# Allegro board fscvmotherboardv2.brd (continued)
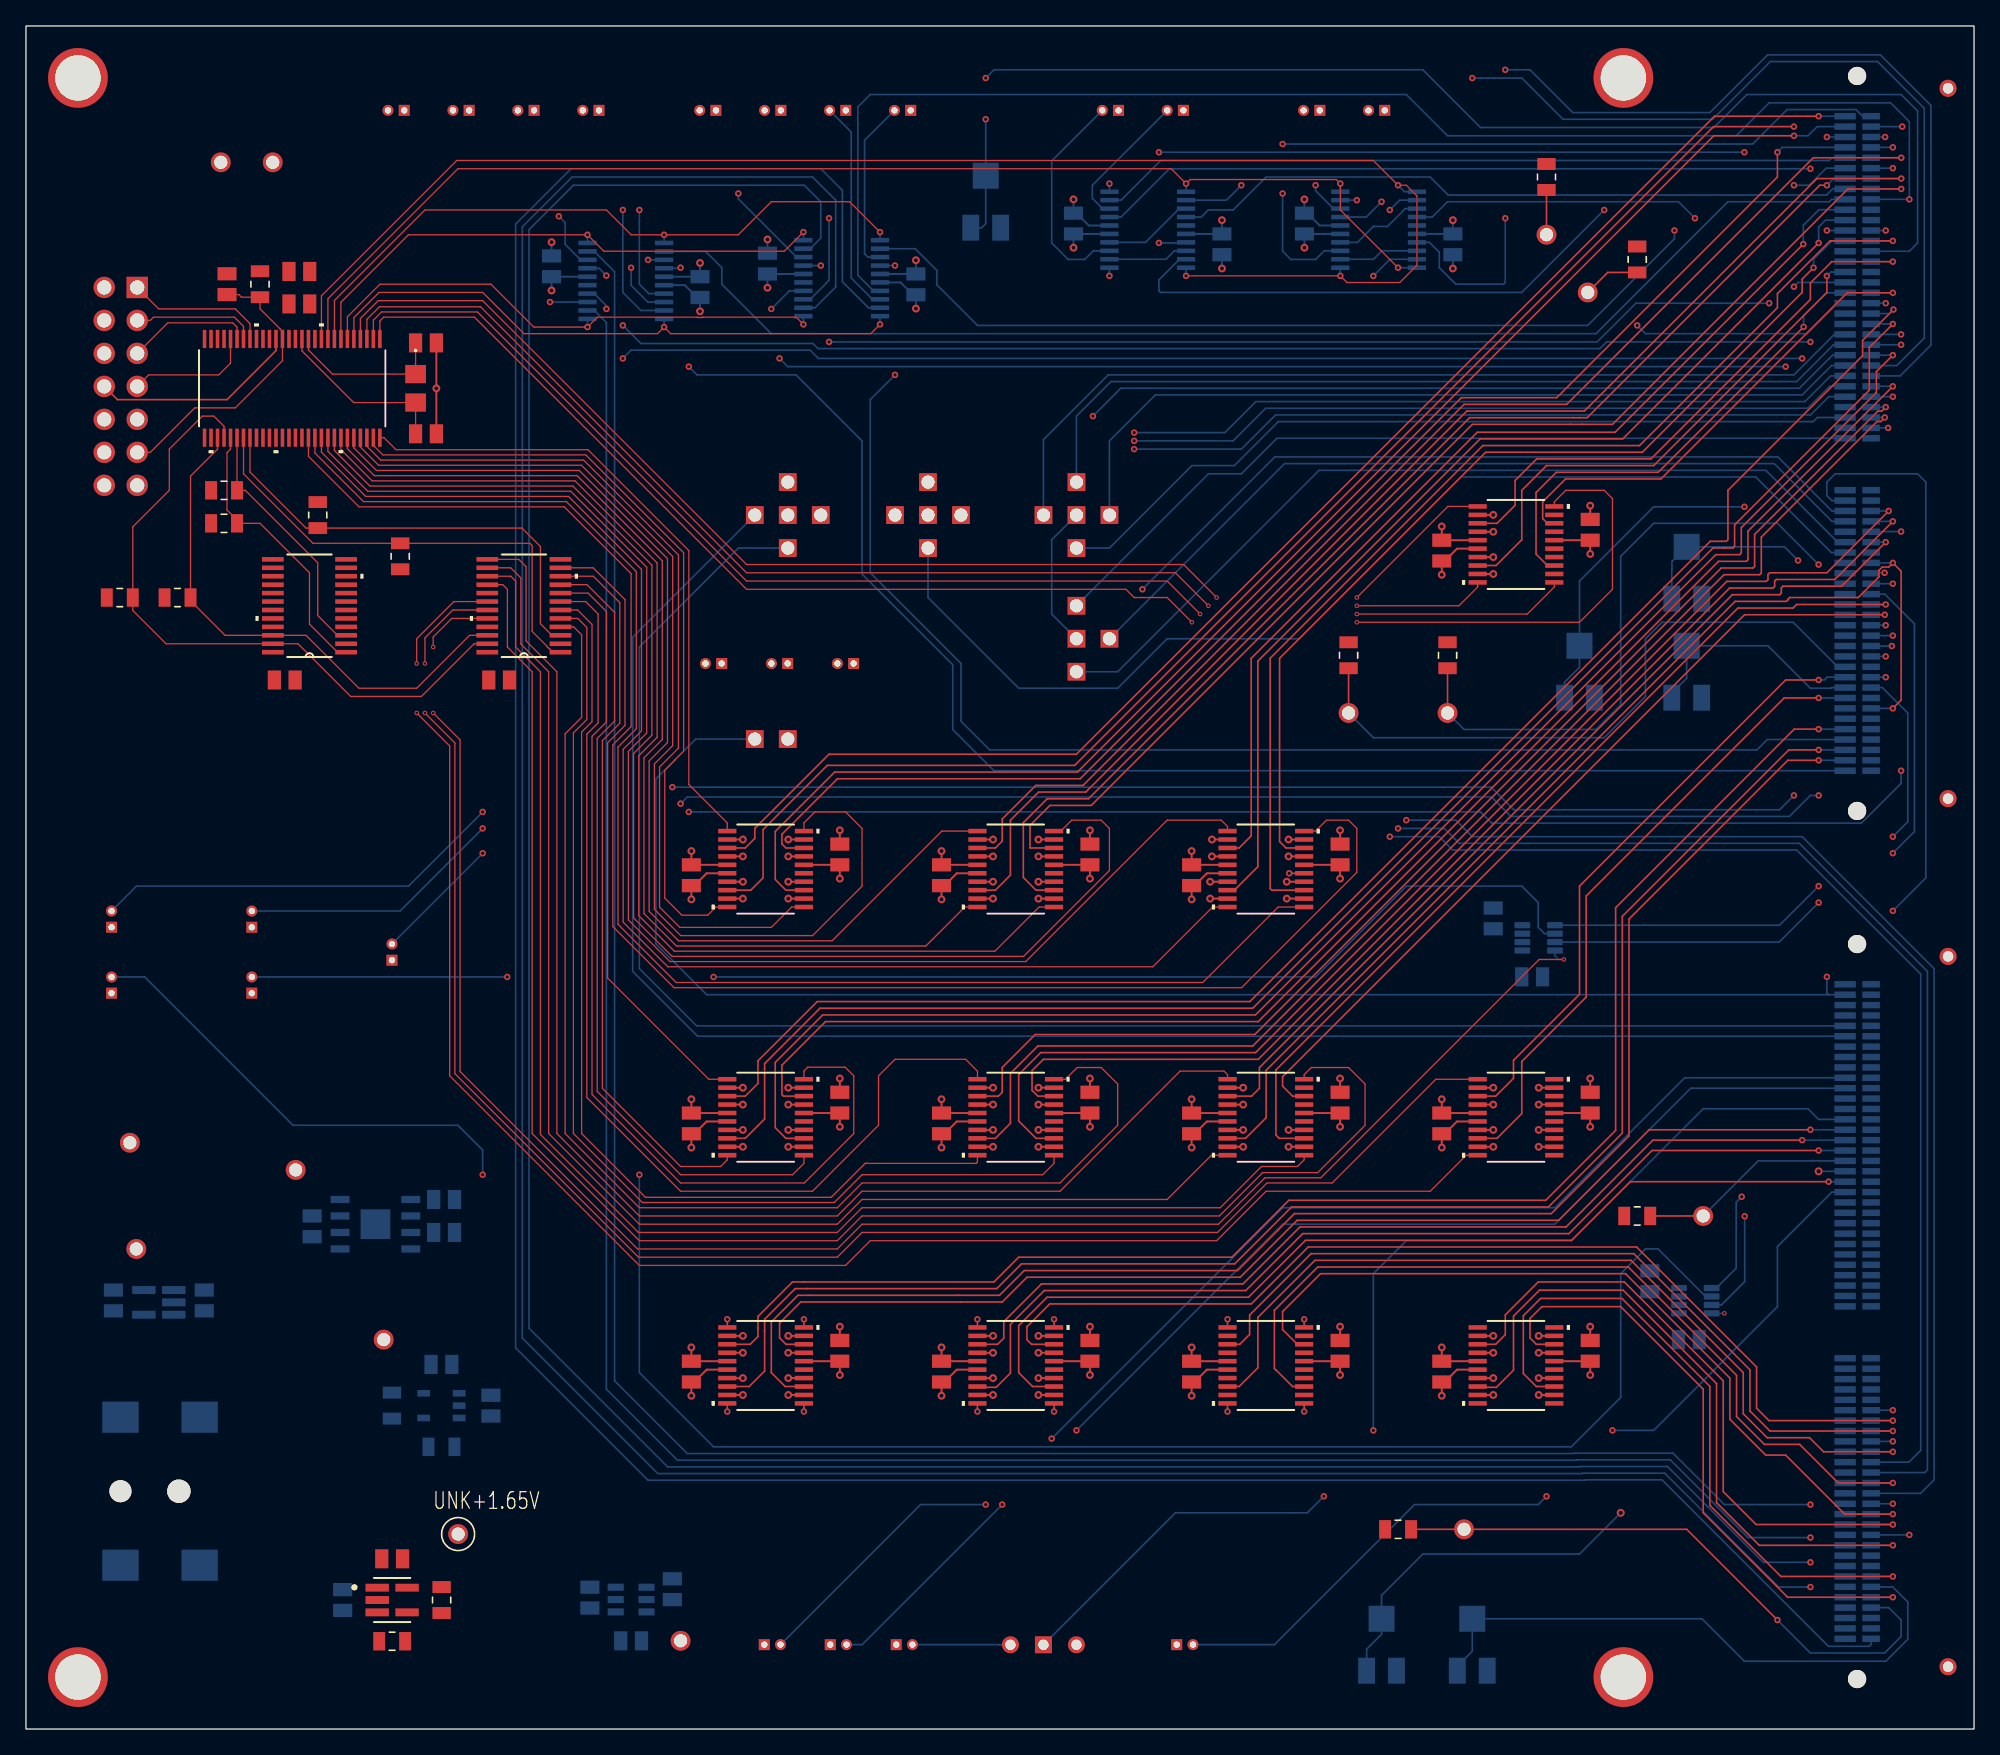
[diagram p0: board, top side]
## Footprints (pads in the part's own frame, mm; a bottom-side part is the same pattern mirrored in y, then rotated) (continued)
TRIM_3314J-1-754E
  rect 1.3x2 smd: 1(1.15,-2) 3(-1.15,-2)
  rect 2x2 smd: 2(0,2)
TSSOP20_PW_TEX
  rect 1.404x0.355 smd: 1(-2.95,2.925) 2(-2.95,2.275) 3(-2.95,1.625) 4(-2.95,0.975) 5(-2.95,0.325) 6(-2.95,-0.325) 7(-2.95,-0.975) 8(-2.95,-1.625) 9(-2.95,-2.275) 10(-2.95,-2.925) 11(2.95,-2.925) 12(2.95,-2.275) 13(2.95,-1.625) 14(2.95,-0.975) 15(2.95,-0.325) 16(2.95,0.325) 17(2.95,0.975) 18(2.95,1.625) 19(2.95,2.275) 20(2.95,2.925)
unnamed
  round 4.6 hole 3.5: (0,0)
XTAL_KA-A3_EPS
  rect 1.412x1.6 smd: 1(-1.095,0) 2(1.095,0)

## Nets
3.3V: C3.2 C4.2 C8.1 C50.2 C51.2 J2.4 R1.1 R2.2 R3.2 R4.2 R5.2 R6.2 R7.2 U1.15 U2.6 U2.7 U2.8 U4.24(VCC) U6.2 U6.24(VCC) UNK3.3V.TP
5V_UNREGULATED: C6.1 C9.1 C12.1 C14.1 J3.1A J3.1B U2.1 U2.2(VOUT_2) U2.4 U3.1 U3.3 U5.1 U5.6 U7.1 U7.3
+1.65V: 1.65V.TP C15.1 J1.133 R10.2 U7.5(OUT) U9.4 U9.7 U9.14 U9.17 U10.4 U10.7 U11.4 U11.7 U11.14 U11.17 U12.4 U12.7 U12.14 U12.17 U13.4 U13.7 U13.14 U13.17 U14.4 U14.7 U14.14 U14.17 U15.4 U15.7 U15.14 U15.17 U16.4 U16.7 U16.14 U16.17 U17.4 U17.7 U17.14 U17.17 U19.4 U19.7 U19.14 U19.17 U21.4 U21.7 U21.14 U21.17 U24.4 U24.7 U24.14 U24.17 UNK+1.65V.TP
+5V: C10.1 C18.1 C20.1 C22.1 C24.1 C26.1 C28.1 C30.1 C32.1 C34.1 C36.1 C38.1 C40.1 C42.1 C44.1 C46.1 C48.1 C52.1 C54.1 U3.5(OUT) U9.16 U10.16 U11.16 U12.16 U13.16 U14.16 U15.16 U16.16 U17.16 U18.16 U19.16 U20.16 U21.16 U22.16 U23.16 U24.16 U25.1 U25.2 U26.1 U26.2 UNK+5V.TP
-1.65V: C16.1 J1.14 J1.31 J1.37 J1.55 J1.77 J1.99 J1.113 J1.121 J1.132 J1.194 J1.208 J1.232 R12.2 R14.2 R15.2 R16.2 R17.2 R18.2 R19.2 U8.5 U9.2 U9.9 U9.12 U9.19 U10.2 U10.9 U11.2 U11.9 U11.12 U11.19 U12.2 U12.9 U12.12 U12.19 U13.2 U13.9 U13.12 U13.19 U14.2 U14.9 U14.12 U14.19 U15.2 U15.9 U15.12 U15.19 U16.2 U16.9 U16.12 U16.19 U17.2 U17.9 U17.12 U17.19 U19.2 U19.9 U19.12 U19.19 U21.2 U21.9 U21.12 U21.19 U24.2 U24.9 U24.12 U24.19 UNK-1.65V.TP VR1.3 VR2.3 VR3.3 VR4.3 VR5.3 VR6.3
-5V: C11.1 C17.1 C19.1 C21.1 C23.1 C25.1 C27.1 C29.1 C31.1 C33.1 C35.1 C37.1 C39.1 C41.1 C43.1 C45.1 C47.1 C49.1 C53.2 C55.2 U5.2(VOUT) U8.2 U8.3 U9.5(VSS) U10.5(VSS) U11.5(VSS) U12.5(VSS) U13.5(VSS) U14.5(VSS) U15.5(VSS) U16.5(VSS) U17.5(VSS) U18.5(VSS) U19.5(VSS) U20.5(VSS) U21.5(VSS) U22.5(VSS) U23.5(VSS) U24.5(VSS) U25.4(VSS) U26.4(VSS) UNK-5V.TP
GND: C1.2 C2.2 C3.1 C4.1 C5.1 C6.2 C7.2 C8.2 C9.2 C10.2 C11.2 C12.2 C14.2 C15.2 C16.2 C17.2 C18.2 C19.2 C20.2 C21.2 C22.2 C23.2 C24.2 C25.2 C26.2 C27.2 C28.2 C29.2 C30.2 C31.2 C32.2 C33.2 C34.2 C35.2 C36.2 C37.2 C38.2 C39.2 C40.2 C41.2 C42.2 C43.2 C44.2 C45.2 C46.2 C47.2 C48.2 C49.2 C50.1 C51.1 C52.2 C53.1 C54.2 C55.1 GND1.TP J1.15 J1.54 J1.76 J1.94 J1.129 J1.233 J2.9 J3.2 J3.3 J4.2 J5.2 J6.2 J7.2 J8.2 J9.2 J10.2 J11.2 J12.2 J13.2 J14.2 J15.2 J16.2 J17.2 J18.2 J19.2 J20.2 J21.2 J22.2 J23.2 J24.2 J25.2 J26.2 J27.2 R11.1 R13.1 SW1.3 U1.14 U2.5 U2.9 U3.2 U4.2 U4.12 U4.21 U5.5 U6.12 U6.21 U7.2 U8.1 U9.6 U10.6 U11.6 U12.6 U13.6 U14.6 U15.6 U16.6 U17.6 U18.6 U19.6 U20.6 U21.6 U22.6 U23.6 U24.6 U25.3 U26.3
VDD_12: J1.13 U12.18
VDD_34: J1.231 U9.8
VDD_56: J1.56 U17.3
VDD_78: J1.78 U19.18
VDD_D: J1.100 J1.114 U21.8
VDD_DNA_1: J1.195
VDD_DNA_2: J1.209
VDD_IT: J1.34 J1.122 VDD_IT1.TP
CH_A_SEL: U1.8 U18.1 U20.1
CH_AB_COND_SEL: U22.1
CH_AB_SEL: U1.10 U22.20 U23.1 U23.11
CH_B_SEL: U1.5 U18.10 U20.10
CH_C_SEL: U1.6 U18.11 U20.11
CH_CD_COND_SEL: U22.10
CH_CD_SEL: U1.9 U22.11 U23.10 U23.20
CH_D_SEL: U1.7 U18.20 U20.20
CH_EN_1: J1.11 U12.8
CH_EN_1_SEL: U1.47 U12.10
CH_EN_2: J1.1 U16.3
CH_EN_2_SEL: U1.56 U16.1
CH_EN_3: J1.229 U9.3
CH_EN_3_SEL: U9.1
CH_EN_4: J1.219 U24.18
CH_EN_4_SEL: U24.20
CH_EN_5: J1.58 U17.8
CH_EN_5_SEL: U17.10
CH_EN_6: J1.68 U13.18
CH_EN_6_SEL: U1.49 U13.20
CH_EN_7: J1.80 U15.3
CH_EN_7_SEL: U4.11 U15.1
CH_EN_8: J1.90 U14.8
CH_EN_8_SEL: U4.6 U14.10
CH_EN_D: J1.95 U14.13
CH_EN_D_SEL: U4.5 U14.11
CH_OUT_A: J5.1 U18.3
CH_OUT_B: J9.1 U18.8
CH_OUT_C: J13.1 U18.13
CH_OUT_D: J17.1 U18.18
CH_OUTPUT_1: J1.12 U18.2
CH_OUTPUT_2: J1.240 U18.9
CH_OUTPUT_3: J1.230 U18.19
CH_OUTPUT_4: J1.218 U18.12
CH_OUTPUT_5: J1.57 U18.4
CH_OUTPUT_6: J1.69 U18.7
CH_OUTPUT_7: J1.79 U18.17
CH_OUTPUT_8: J1.91 U18.14
CH_OUTPUT_D: J1.110
CM: J1.134 SW1.1
CM_EXT: J22.1 SW1.2
COND_EN_1: J1.7 U13.13
COND_EN_1_SEL: U1.50 U13.11
COND_EN_2: J1.4 U16.18
COND_EN_2_SEL: U1.53 U16.20
COND_EN_3: J1.225 U11.13
COND_EN_3_SEL: U11.11
COND_EN_4: J1.222 U11.8
COND_EN_4_SEL: U11.10
COND_EN_5: J1.62 U16.8
COND_EN_5_SEL: U1.55 U16.10
COND_EN_6: J1.65 U13.3
COND_EN_6_SEL: U1.52 U13.1
COND_EN_7: J1.84 U15.13
COND_EN_7_SEL: U4.9 U15.11
COND_EN_8: J1.87 U15.18
COND_EN_8_SEL: U4.8 U15.20
COND_EN_D: J1.105 U21.18
COND_EN_D_SEL: U4.16 U21.20
DHP_DNA<0>: J1.201
DHP_DNA<1>: J1.200
DHP_DNA<2>: J1.199
DHP_DNA<3>: J1.198
DHP_DNA<4>: J1.197
DHP_DNA<5>: J1.196
DHP_DNA<6>: J1.193
DHP_DNA<7>: J1.192
DHP_DNA<8>: J1.191
DHP_DNA<9>: J1.190
DIFF_NFET_1_SHARED_VB: J1.45
DIFF_NFET_1_SHARED_VD: J1.42
DIFF_NFET_1_VSN: J1.43
DIFF_NFET_1_VSP: J1.44
DIFF_NFET_2_SHARED_VB: J1.46
DIFF_NFET_2_SHARED_VD: J1.41
DIFF_NFET_2_VSN: J1.118
DIFF_NFET_2_VSP: J1.117
DIFF_NFET_3_SHARED_VB: J1.47
DIFF_NFET_3_SHARED_VD: J1.40
DIFF_NFET_3_VSN: J1.119
DIFF_NFET_3_VSP: J1.120
DIFF_PFET_SHARED_VB: J1.33
DIFF_PFET_SHARED_VD: J1.29
DIFF_PFET_VSN: J1.123
DIFF_PFET_VSP: J1.124
DLP_DNA<0>: J1.167
DLP_DNA<1>: J1.168
DLP_DNA<2>: J1.169
DLP_DNA<3>: J1.170
DLP_DNA<4>: J1.171
DLP_DNA<5>: J1.172
DLP_DNA<6>: J1.173
DLP_DNA<7>: J1.174
DLP_DNA<8>: J1.175
DLP_DNA<9>: J1.176
EN_12_SEL: U1.45 U12.20
EN_34_SEL: U9.10
EN_56_SEL: U17.1
EN_78_SEL: U1.1 U19.20
EN_D_SEL: U4.14 U21.10
HP1O_DNA: J1.215
HP2O_DNA: J1.214
HP_BYPASS_EN_1: J1.10 U12.3
HP_BYPASS_EN_1_SEL: U1.48 U12.1
HP_BYPASS_EN_2: J1.2 U16.13
HP_BYPASS_EN_2_SEL: U1.54 U16.11
HP_BYPASS_EN_3: J1.228 U11.18
HP_BYPASS_EN_3_SEL: U11.20
HP_BYPASS_EN_4: J1.220 U11.3
HP_BYPASS_EN_4_SEL: U11.1
HP_BYPASS_EN_5: J1.59 U17.13
HP_BYPASS_EN_5_SEL: U17.11
HP_BYPASS_EN_6: J1.67 U13.8
HP_BYPASS_EN_6_SEL: U1.51 U13.10
HP_BYPASS_EN_7: J1.81 U15.8
HP_BYPASS_EN_7_SEL: U4.10 U15.10
HP_BYPASS_EN_8: J1.89 U14.3
HP_BYPASS_EN_8_SEL: U4.7 U14.1
HP_BYPASS_EN_D: J1.96 U14.18
HP_BYPASS_EN_D_SEL: TP1.TP U4.4 U14.20
HPF_OUT_BUF: J1.109 J20.1
IA_EN_DNA: J1.185
IB_SEL_HP_DNA<0>: J1.204
IB_SEL_HP_DNA<1>: J1.205
IB_SEL_LP_DNA<0>: J1.164
IB_SEL_LP_DNA<1>: J1.163
IBX_IN_DIFF_DNA: J1.181
IBX_OPA_DNA: J1.180
IBX_PR: IBX_PR.TP J1.138 R14.1
IBX_PR_HP_DNA: J1.202
IBX_PR_LP_DNA: J1.166
IIN_PR: J1.131 J23.1
INT1: R2.1 U1.35 U4.1
INT2: R6.1 U1.33 U6.1
IREF_EN_12: J1.16 U19.8
IREF_EN_12_SEL: U1.3 U19.10
IREF_EN_34: J1.234 U9.13
IREF_EN_34_SEL: U9.11
IREF_EN_56: J1.53 U10.8
IREF_EN_56_SEL: U4.18 U10.10
IREF_EN_78: J1.75 U19.3
IREF_EN_78_SEL: U1.4 U19.1
IREF_EN_D: J1.104 U21.13
IREF_EN_D_SEL: U4.15 U21.11
IREF_EN_DNA: J1.184
IREF_IBX_12: IREF_IBX_12.TP J1.19 R15.1
IREF_IBX_34: IREF_IBX_34.TP J1.237 R16.1
IREF_IBX_56: IREF_IBX_56.TP J1.50 R17.1
IREF_IBX_78: IREF_IBX_78.TP J1.72 R18.1
IREF_IBX_D: IREF_IBX_D.TP J1.101 R19.1
IREF_OFF_CHIP_PR: J1.141 J24.1
IREF_REXT_12: J1.17 VR1.1 VR1.2(WIPER)
IREF_REXT_34: J1.235 VR2.1 VR2.2(WIPER)
IREF_REXT_56: J1.52 VR3.1 VR3.2(WIPER)
IREF_REXT_78: J1.74 VR5.1 VR5.2(WIPER)
IREF_REXT_D: J1.102 VR6.1 VR6.2(WIPER)
IREF_SWITCH_PR: J1.140 U24.13
IREF_SWITCH_PR_SEL: U24.11
IREF_TEST_12: J1.18 U19.13
IREF_TEST_12_SEL: U1.2 U19.11
IREF_TEST_34: J1.236 U9.18
IREF_TEST_34_SEL: U9.20
IREF_TEST_56: J1.51 U10.3
IREF_TEST_56_SEL: U4.19 U10.1
IREF_TEST_78: J1.73 U12.13
IREF_TEST_78_SEL: U1.46 U12.11
IREF_TEST_D: J1.98 U21.3
IREF_TEST_D_SEL: U4.13 U21.1
LPO_DNA: J1.213
NO_CONNEC_1: J1.20
NO_CONNEC_2: J1.21
NO_CONNEC_3: J1.48
NO_CONNEC_4: J1.49
NO_CONNEC_5: J1.70
NO_CONNEC_6: J1.71
NO_CONNEC_7: J1.92
NO_CONNEC_8: J1.93
NO_CONNEC_9: J1.115
NO_CONNEC_10: J1.116
NO_CONNEC_11: J1.127
NO_CONNEC_12: J1.128
NO_CONNEC_15: J1.142
NO_CONNEC_16: J1.143
NO_CONNEC_17: J1.144
NO_CONNEC_18: J1.145
NO_CONNEC_19: J1.146
NO_CONNEC_20: J1.147
NO_CONNEC_21: J1.148
NO_CONNEC_22: J1.149
NO_CONNEC_23: J1.150
NO_CONNEC_24: J1.151
NO_CONNEC_25: J1.152
NO_CONNEC_26: J1.153
NO_CONNEC_27: J1.154
NO_CONNEC_28: J1.155
NO_CONNEC_29: J1.156
NO_CONNEC_30: J1.157
NO_CONNEC_31: J1.158
NO_CONNEC_32: J1.159
NO_CONNEC_33: J1.160
NO_CONNEC_34: J1.161
NO_CONNEC_35: J1.216
NO_CONNEC_36: J1.217
NO_CONNEC_37: J1.238
NO_CONNEC_38: J1.239
RESET1: R3.1 U1.36 U4.3
RESET2: R7.1 U1.34 U6.3
REXT_IN_DIFF_DNA: J1.182
REXT_OPA_DNA: J1.183
REXT_PR: J1.139 VR4.1 VR4.2(WIPER)
RST: C5.2 J2.11 R1.2 U1.16
SCL: R5.1 U1.31 U4.22 U6.22
SDA: R4.1 U1.32 U4.23 U6.23
SEL1_PR: J1.137 U24.8
SEL1_PR_SEL: U24.10
SEL2_PR: J1.136 U24.3
SEL2_PR_SEL: U24.1
SEL3_PR: J1.135 U17.18
SEL3_PR_SEL: U17.20
SENSOR_1: J1.9 U20.2
SENSOR_2: J1.3 U20.9
SENSOR_3: J1.227 U20.19
SENSOR_4: J1.221 U20.12
SENSOR_5: J1.60 U20.4
SENSOR_6: J1.66 U20.7
SENSOR_7: J1.82 U20.17
SENSOR_8: J1.88 U20.14
SENSOR_A: J4.1 U20.3
SENSOR_B: J8.1 U20.8
SENSOR_C: J12.1 U20.18
SENSOR_CD: J1.97 J15.1
SENSOR_D: J16.1 U20.13
SH_EN_DNA: J1.162
SNFET_1_VD: J1.38 SNFET_1_VD.TP
SNFET_2_VD: J1.36 SNFET_2_VD.TP
SNFET_3_VD: J1.30 SNFET_3_VD.TP
SNFET_4_VD: J1.32 SNFET_4_VD.TP
SNFET_5_VB: J1.26 SNFET_5_VB.TP
SNFET_5_VD: J1.25 SNFET_5_VD.TP
SNFET_5_VS: J1.24 SNFET_5_VS.TP
SNFET_SHARED_VB: J1.39 SNFET_SHARED_VB.TP
SNFET_SHARED_VS: J1.35 SNFET_SHARED_VS.TP
SPFET_1_VB: J1.27 SPFET_1_VB.TP
SPFET_1_VD: J1.23 SPFET_1_VD.TP
SPFET_1_VS: J1.126 SPFET_1_VS.TP
SPFET_2_VB: J1.28 SPFET_2_VB.TP
SPFET_2_VD: J1.22 SPFET_2_VD.TP
SPFET_2_VS: J1.125 SPFET_2_VS.TP
T_VRPS_AB: J14.1 U22.3
T_VRPS_AB_C: U22.4 U22.13
T_VRPS_AB_M: U22.2 U22.18
T_VRPS_C_12: J1.8 U22.14
T_VRPS_C_34: J1.226 U23.12
T_VRPS_C_56: J1.61 U22.12
T_VRPS_C_78: J1.83 U23.14
T_VRPS_C_D: J1.103 U25.7
T_VRPS_CD: J18.1 U23.3
T_VRPS_CD_C: U23.4 U23.13
T_VRPS_CD_M: U23.2 U23.18
T_VRPS_D: J11.1 U25.6
T_VRPS_D_SEL: TP2.TP U4.20 U25.8 U26.8
T_VRPS_M_12: J1.6 U22.19
T_VRPS_M_34: J1.223 U23.19
T_VRPS_M_56: J1.63 U22.17
T_VRPS_M_78: J1.86 U23.17
T_VRPS_M_D: J1.112 U25.5
TCK: J2.7 U1.24
TDI: J2.3 U1.22
TDO: J2.1 U1.21
TEST: J2.8 U1.17(TEST/SBWTCK)
TEST_EN_D: J1.106
TIA_C_OUT_BUF: J1.107 U26.7
TIA_EN_DNA: J1.189
TIA_M_OUT_BUF: J1.108 U26.5
TIA_OUT_BUF: J19.1 U26.6
TIA_TST_DNA: J1.186
TIASW_DNA<0>: J1.187
TIASW_DNA<1>: J1.188
TMS: J2.5 U1.23
TSTEN_DNA: J1.177
VB: J27.1 VB.TP
VBGX_PR_HP_DNA: J1.203
VBGX_PR_LP_DNA: J1.165
VCM_HP1_DNA: J1.212
VCM_HP2_DNA: J1.211
VCM_LP_DNA: J1.210
VCM_TIA_DNA: J1.207
VD: J26.1 VD1.TP VD2.TP
VOUT_PR: J1.130 J21.1
VRPS_12: J1.5 U22.9
VRPS_34: J1.224 U23.9
VRPS_56: J1.64 U22.7
VRPS_78: J1.85 U23.7
VRPS_AB: J6.1 U22.8
VRPS_CD: J10.1 U23.8
VRPS_D: J1.111 J7.1
VS: J25.1 VS.TP
VSN_DNA: J1.178
VSP_DNA: J1.179
VSUB_TIA_DNA: J1.206(VSUB_TIA_DNA)
XIN: C2.1 U1.13 X1.2
XOUT: C1.1 U1.12 X1.1
N378769: C7.1 U2.3
N380998: C13.1 U5.3
N381018: C13.2 U5.4
N381395: R10.1 R11.2 U7.4
N382215: R12.1 R13.2 U8.4(SET)
N392059: U9.15
N392499: U12.15
N393110: U10.15
N393288: U13.15
N394124: U11.15
N394302: U14.15
N398589: U15.15
N398767: U16.15
N399845: U18.15
N400894: U17.15
N402680: U19.15
N403201: U21.15
N403778: U20.15
N404375: U23.15
N405364: U22.15
N417493: U24.15

Pads without a net: J2 2 6 10 12 13 14; U1 11 18 19 20 25 26 27 28 29 30 37 38 39 40 41 42 43 44; U3 4; U4 17; U6 4 5 6 7 8 9 10 11 13 14 15 16 17 18 19 20; U10 11 12 13 14 17 18 19 20

## Via types
v1: diameter 0.35, hole 0.2, TOP to BOTTOM, 16 vias
v2: diameter 0.5, hole 0.254, TOP to BOTTOM, 193 vias
v3: diameter 0.6, hole 0.3, TOP to BOTTOM, 147 vias
v4: diameter 0.61, hole 0.33, TOP to BOTTOM, 2 vias

## Routing (per net, layer and track width the routed paths; a pad name or vN(x,y) marks a point on that pad's centre or on a via; arc(x,y) is an arc through that point)
+1.65V: length 47.2
  TOP w0.15: U13.7 v3(74.46,65.25) ; U16.4 v3(55.2,67.2) ; U9.17 v3(116.48,28.98) ; U14.17 v3(77.96,48.09) ; U12.4 v3(91.32,67.2) ; U14.4 v3(74.46,48.09) ; U17.17 v3(58.7,28.98) ; U10.7 v3(112.98,46.14) ; U17.14 v3(58.7,27.03) ; U9.14 v3(116.48,27.03) ; U17.4 v3(55.2,28.98) ; U21.14 v3(97.22,46.14) ; U24.7 v3(74.46,27.03) ; U9.4 v3(112.98,28.98) ; U15.7 v3(55.2,46.14) ; U9.7 v3(112.98,27.03) ; U12.17 v3(97.22,67.2) ; U24.14 v3(77.96,27.03) ; U12.14 v3(97.08,65.25) ; U14.14 v3(77.96,46.14) ; U15.14 v3(58.7,46.14) ; U17.7 v3(55.2,27.03) ; U21.7 v3(93.72,46.14) ; U19.7 v3(112.98,90.25) ; U15.4 v3(55.2,48.09) ; U13.4 v3(74.46,67.2) ; U14.7 v3(74.46,46.14) ; U24.4 v3(74.46,28.98) ; U21.4 v3(93.72,48.09) ; U10.4 v3(112.98,48.09) ; U16.14 v3(58.7,65.25) ; U12.7 v3(91.18,65.25) ; U16.7 v3(55.2,65.25) ; U24.17 v3(77.96,28.98) ; U15.17 v3(58.7,48.09) ; U13.14 v3(77.96,65.25) ; U13.17 v3(77.96,67.2) ; U16.17 v3(58.7,67.2) ; U19.4 v3(112.98,92.2)
+5V: length 61.2
  TOP w0.15: v3(81.92,65.49) C26.1 U13.16 ; U15.16 C30.1 v3(62.66,46.38) ; v3(101.19,46.38) C42.1 U21.16 ; U17.16 C34.1 v3(62.66,27.27) ; U19.16 C36.1 v3(120.44,90.49) ; U9.16 C18.1 v3(120.44,27.27) ; U12.16 C24.1 v3(101.19,65.49) ; v3(81.92,27.27) C48.1 U24.16 ; U10.16 C20.1 v3(120.44,46.38) ; U16.16 C32.1 v3(62.66,65.49) ; U14.16 C28.1 v3(81.92,46.38) ; U11.16 C22.1 v3(101.19,27.27)
  BOTTOM w0.15: U18.16 C40.1 v3(57.09,110.99) ; U20.16 C38.1 v3(40.47,110.78) ; U22.16 C44.1 v3(92.09,116.2) ; U23.16 C46.1 v3(109.87,116.2)
-1.65V: length 47.2
  TOP w0.15: U9.9 v3(112.98,25.73) ; U13.12 v3(77.96,63.95) ; U16.9 v3(55.2,63.95) ; U9.2 v3(112.98,30.28) ; U14.9 v3(74.46,44.84) ; U14.2 v3(74.46,49.39) ; U12.12 v3(97.08,63.95) ; U16.12 v3(58.7,63.95) ; U21.12 v3(97.22,44.84) ; U15.9 v3(55.2,44.84) ; U24.19 v3(77.96,30.28) ; U24.12 v3(77.96,25.73) ; U15.19 v3(58.7,49.39) ; U14.19 v3(77.96,49.39) ; U15.2 v3(55.2,49.39) ; U10.9 v3(112.98,44.84) ; U16.19 v3(58.7,68.5) ; U14.12 v3(77.96,44.84) ; U9.19 v3(116.48,30.28) ; U19.9 v3(112.98,88.95) ; U21.9 v3(93.72,44.84) ; U21.2 v3(93.72,49.39) ; U10.2 v3(112.98,49.39) ; U19.2 v3(112.98,93.5) ; U24.9 v3(74.46,25.73) ; U17.9 v3(55.2,25.73) ; U12.19 v3(97.22,68.5) ; U24.2 v3(74.46,30.28) ; U13.9 v3(74.46,63.95) ; U15.12 v3(58.7,44.84) ; U13.2 v3(74.46,68.5) ; U9.12 v3(116.48,25.73) ; U17.2 v3(55.2,30.28) ; U13.19 v3(77.96,68.5) ; U17.12 v3(58.7,25.73) ; U17.19 v3(58.7,30.28) ; U16.2 v3(55.2,68.5) ; U12.2 v3(91.32,68.5) ; U12.9 v3(91.18,63.95)
-5V: length 61.2
  TOP w0.15: v3(89.75,48.5) C43.1 U21.5 ; U19.5 C37.1 v3(109.02,92.61) ; v3(89.75,67.61) C25.1 U12.5 ; U24.5 C49.1 v3(70.5,29.39) ; v3(109.02,48.5) C21.1 U10.5 ; U16.5 C33.1 v3(51.23,67.61) ; v3(51.23,48.5) C31.1 U15.5 ; U9.5 C19.1 v3(109.02,29.39) ; v3(70.5,67.61) C27.1 U13.5 ; U17.5 C35.1 v3(51.23,29.39) ; v3(70.5,48.5) C29.1 U14.5 ; v3(89.75,29.39) C23.1 U11.5
  BOTTOM w0.15: U18.5 C41.1 v3(68.53,113.11) ; U22.5 C45.1 v3(80.66,114.08) ; v3(51.9,112.9) C39.1 U20.5 ; v3(98.44,114.08) C47.1 U23.5
GND: length 91.5
  TOP w0.15: U13.6 71.67,65.9 70.72,64.95 C27.2 v3(70.5,63.89) ; C1.2 v3(31.6,103.25) C2.2 ; U16.6 52.41,65.9 51.46,64.95 C33.2 v3(51.23,63.89) ; C26.2 v3(81.92,69.21) ; v3(70.5,25.67) C49.2 70.72,26.73 71.67,27.68 U24.6 ; v3(109.02,88.89) C37.2 109.24,89.95 110.19,90.9 U19.6 ; v3(109.02,25.67) C19.2 109.24,26.73 110.19,27.68 U9.6 ; v3(89.75,25.67) C23.2 89.98,26.73 90.93,27.68 U11.6 ; C36.2 v3(120.44,94.21) ; v3(70.5,44.78) C29.2 70.72,45.84 71.67,46.79 U14.6 ; U21.6 90.93,46.79 89.98,45.84 C43.2 v3(89.75,44.78) ; U12.6 90.93,65.9 89.98,64.95 C25.2 v3(89.75,63.89) ; v3(51.23,25.67) C35.2 51.46,26.73 52.41,27.68 U17.6 ; C24.2 v3(101.19,69.21) ; C28.2 v3(81.92,50.1) ; C32.2 v3(62.66,69.21) ; v3(109.02,44.78) C21.2 109.24,45.84 110.19,46.79 U10.6 ; C34.2 v3(62.66,30.99) ; C18.2 v3(120.44,30.99) ; U15.6 52.41,46.79 51.46,45.84 C31.2 v3(51.23,44.78) ; C22.2 v3(101.19,30.99) ; C30.2 v3(62.66,50.1) ; C42.2 v3(101.19,50.1) ; C48.2 v3(81.92,30.99) ; C20.2 v3(120.44,50.1)
  BOTTOM w0.15: v3(51.9,109.18) C39.2 51.67,110.24 50.73,111.19 U20.6 ; 92.09,113.53 v3(92.09,112.48) ; v3(80.66,117.8) C45.2 80.89,116.74 81.84,115.78 U22.6 ; v3(98.44,117.8) C47.2 98.66,116.74 99.61,115.78 U23.6 ; U18.6 67.35,111.4 68.3,110.45 C41.2 v3(68.53,109.39) ; 109.87,113.53 v3(109.87,112.48) ; C40.2 v3(57.09,114.71) ; C38.2 v3(40.47,114.5)
VDD_12: length 74.1
  TOP w0.127: U12.18 97.02,67.85 96.53,68.34 96.53,82.46 112.39,98.32 124.46,98.32 136.76,110.63 136.76,111.66 v2(137.64,112.53)
  BOTTOM w0.127: J1.13 139.06,114.6 137.64,113.18 v2(137.64,112.53)
VDD_34: length 52.7
  TOP w0.127: v2(143.75,14.15) 133.46,14.15 130.17,17.44 130.17,26.6 122.98,33.8 116.54,33.8 114.54,31.8 114.54,27.63 113.23,26.31 111.84,26.31 U9.8
  BOTTOM w0.127: v2(143.75,14.15) J1.231
VDD_56: length 116.6
  TOP w0.127: v2(138.03,77) 136.16,77 122.4,63.25 122.4,46.1 117.02,40.72 97.24,40.72 92.86,36.34 76.44,36.34 74.53,34.43 59.93,34.43 59.02,34.43 56.36,31.77 56.36,30.86 56.36,30.23 55.76,29.63 U17.3
  BOTTOM w0.127: v2(138.03,77) J1.56
VDD_78: length 37.6
  TOP w0.127: U19.18 117.16,92.85 116.79,93.22 116.79,94.51 118.55,96.27 125.89,96.27 140.23,110.6 v2(143.75,110.6)
  BOTTOM w0.127: v2(143.75,110.6) J1.78
VDD_D: length 87.1
  TOP w0.127: v2(143.75,78.6) 144.38,79.23 144.38,89.17 v2(143.75,89.8) 143.43,89.48 142.93,89.48 142.67,89.22 142.67,88.72 141.09,87.14 135.8,87.14 135.68,87.01 135.68,86.97 135.55,86.84 131.6,86.84 95.49,50.72 95.49,47.07 93.9,45.49 U21.8
  BOTTOM w0.127: v2(143.75,78.6) J1.114 ; v2(143.75,89.8) J1.100
VDD_IT: length 170.1
  POWER w0.127: v2(143.75,63.01) 143.75,59.83 142.48,58.56 139.31,58.56 v2(138.67,57.93)
  BOTTOM w0.127: VDD_IT1.TP 51.57,76.23 48.5,73.17 48.5,60.47 52.41,56.55 138.8,56.55 ; 138.8,56.55 138.67,56.68 v2(138.67,57.93) ; 138.8,56.55 J1.122 ; J1.34 139.06,94.6 138.67,94.99 138.67,96.03 139.31,96.66 145.66,96.66 146.29,96.03 146.29,65.55 v2(143.75,63.01)
CH_A_SEL: length 51.9
  TOP w0.1: U1.8 23.75,110.01 30.72,116.98 44.69,116.98 46.6,115.07 v2(49.13,115.07) 54.84,115.07 57.39,117.62 63.42,117.62 v2(65.76,115.28)
  BOTTOM w0.127: U20.1 v2(49.13,115.07) ; U18.1 v2(65.76,115.28)
CH_AB_COND_SEL: length 0.6
  BOTTOM w0.127: 83.42,112.53 v2(83.42,111.91)
CH_AB_SEL: length 119.9
  TOP w0.1: v2(89.33,111.91) v2(101.2,111.91) 101.72,111.39 105.78,111.39 107.11,112.72 107.11,118.06 106.28,118.89 v2(105.65,118.89) 103.75,120.79 33.17,120.79 22.75,110.37 U1.10
  BOTTOM w0.127: v2(105.65,118.89) 106.15,118.39 U23.11 ; 89.33,112.53 v2(89.33,111.91) ; 101.2,112.53 v2(101.2,111.91)
CH_B_SEL: length 46.2
  TOP w0.1: v2(65.76,108.17) 65.04,107.46 49.64,107.46 v2(49.13,107.96) 48.63,107.46 38.34,107.46 35.17,110.63 27.19,110.63 25.25,108.69 U1.5
  BOTTOM w0.127: U20.10 v2(49.13,107.96) ; U18.10 v2(65.76,108.17)
CH_C_SEL: length 41
  TOP w0.1: U1.6 24.75,108.76 27.26,111.27 35.8,111.27 39.1,107.96 v2(43.23,107.96) 44,108.73 51.68,108.73 51.7,108.7 52.1,108.7 52.12,108.73 59.31,108.73 v2(59.86,108.17)
  BOTTOM w0.127: U18.11 v2(59.86,108.17) ; U20.11 v2(43.23,107.96)
CH_CD_COND_SEL: length 0.6
  BOTTOM w0.127: U22.10 v2(83.42,119.01)
CH_CD_SEL: length 97
  TOP w0.1: v2(105.65,112.53) 101.2,116.98 v2(101.2,119.01) 100.89,119.33 89.64,119.33 v2(89.33,119.01) 88.18,120.16 33.26,120.16 23.25,110.15 U1.9
  BOTTOM w0.127: U22.11 v2(89.33,119.01) ; U23.10 v2(101.2,119.01) ; 107.11,112.53 v2(105.65,112.53)
CH_D_SEL: length 43
  TOP w0.1: U1.7 24.25,109.87 29.44,115.07 v2(43.23,115.07) 44.5,113.81 58.39,113.81 v2(59.86,115.28)
  BOTTOM w0.127: U18.20 v2(59.86,115.28) ; U20.20 v2(43.23,115.07)
CH_EN_1: length 78.9
  TOP w0.127: v2(138.03,114.44) 122.95,99.35 111.97,99.35 94.86,82.24 94.86,66.41 93.04,64.6 U12.8
  BOTTOM w0.127: J1.11 138.57,116.2 138.03,115.67 v2(138.03,114.44)
CH_EN_1_SEL: length 107.1
  TOP w0.1: U1.47 22.75,98.33 26.16,94.92 41.78,94.92 47.39,89.3 47.39,76.86 45.98,75.45 45.98,62.14 49.42,58.7 86.77,58.7 91.37,63.3 U12.10
CH_EN_2: length 109.9
  TOP w0.127: v2(138.03,124.2) 130.01,124.2 80.89,75.07 61.84,75.07 56.12,69.36 56.12,68.59 55.38,67.85 U16.3
  BOTTOM w0.127: v2(138.03,124.2) J1.1
CH_EN_2_SEL: length 50.2
  TOP w0.1: U16.1 54,69.78 51.04,72.74 51.04,90.75 43.27,98.52 28.49,98.52 27.57,99.44 U1.56
CH_EN_3: length 49.3
  TOP w0.127: v2(143.75,15.75) 133.22,15.75 130.69,18.28 130.69,26.81 123.07,34.43 116.44,34.43 113.91,31.89 113.91,30.37 113.16,29.63 U9.3
  BOTTOM w0.127: v2(143.75,15.75) J1.229
CH_EN_4: length 81.5
  TOP w0.127: U24.18 77.43,29.63 77.08,29.99 77.08,30.98 78.83,32.74 94.35,32.74 98.73,37.12 124.02,37.12 133.26,27.88 133.26,24.7 134.21,23.75 v2(143.75,23.75)
  BOTTOM w0.127: v2(143.75,23.75) J1.219
CH_EN_4_SEL: length 0.6
  TOP w0.127: U24.20 v2(79.16,31.55)
CH_EN_5: length 118.5
  TOP w0.127: U17.8 55.69,26.38 56.88,27.57 56.88,30.65 56.88,30.65 56.88,31.56 59.23,33.92 60.14,33.92 60.14,33.92 74.75,33.92 76.65,35.82 93.07,35.82 97.45,40.21 117.23,40.21 122.92,45.89 122.92,62.58 135.73,75.4 v2(138.03,75.4)
  BOTTOM w0.127: v2(138.03,75.4) J1.58
CH_EN_5_SEL: length 0.6
  TOP w0.127: U17.10 v2(54,24.45)
CH_EN_6: length 93.3
  TOP w0.127: U13.18 77.31,67.85 77.31,69.59 78.85,71.13 82.03,71.13 111.37,100.47 118.96,100.47 122.16,100.47 140.29,118.6 v2(144.4,118.6)
  BOTTOM w0.127: J1.68 v2(144.4,118.6)
CH_EN_6_SEL: length 105.6
  TOP w0.1: U13.20 79.68,69.15 80.52,69.99 82.79,69.99 83.42,69.36 83.42,66.11 76.81,59.5 49.75,59.5 46.78,62.47 46.78,75.12 48.2,76.53 48.2,89.63 42.11,95.72 26.49,95.72 23.75,98.46 U1.49
CH_EN_7: length 120.7
  TOP w0.127: v2(143.8,109.31) 141.42,106.94 141.42,106.5 141.42,105.76 131.05,95.39 131.05,91.59 130.92,91.46 130.56,91.46 129.69,91.46 94.24,56.02 60.92,56.02 56.36,51.46 56.36,49.72 55.38,48.74 U15.3
  BOTTOM w0.127: J1.80 143.48,109 v2(143.8,109.31)
CH_EN_7_SEL: length 48.1
  TOP w0.1: U15.1 52.58,50.04 44.78,57.83 44.78,75.95 46.12,77.29 46.12,86.97 43.67,89.43 41.16,89.43
CH_EN_8: length 97.8
  TOP w0.127: v2(143.13,101) 142.82,100.69 142.52,100.69 133.62,91.79 133.62,89.02 133.49,88.89 130.75,88.89 94.46,52.6 77.92,52.6 75.81,50.49 75.81,46.65 74.64,45.49 U14.8
  BOTTOM w0.127: v2(143.13,101) J1.90
CH_EN_8_SEL: length 76.6
  TOP w0.1: U14.10 73.26,43.66 73.16,43.56 64.77,43.56 64.76,43.57 64.62,43.57 62,40.95 47.7,40.95 42.78,45.86 42.78,76.78 43.58,77.58 43.58,85.07 42.47,86.18 U4.6
CH_EN_D: length 93.4
  TOP w0.127: U14.13 77.78,45.49 76.44,46.82 76.44,50.4 78.13,52.09 94.67,52.09 130.97,88.38 134.01,88.38 134.13,88.51 134.13,88.91 134.26,89.04 138.67,89.04 v2(143.43,93.8)
  BOTTOM w0.127: v2(143.43,93.8) 143.43,93.8 J1.95
CH_EN_D_SEL: length 82.8
  TOP w0.1: U4.5 42.49,85.53 43.19,84.83 43.19,77.74 42.15,76.71 42.15,45.86 47.47,40.55 62.23,40.55 64.38,42.69 78.28,42.69 79.16,43.56 U14.11
CH_OUT_A: length 13.3
  BOTTOM w0.127: U18.3 64.83,113.35 64.57,113.61 64.57,122.34 J5.1
CH_OUT_B: length 16.5
  BOTTOM w0.127: J9.1 63.54,122.98 63.54,111.74 65.18,110.1 U18.8
CH_OUT_C: length 17.7
  POWER w0.127: J13.1 61.84,119.69 v2(61.84,116.34)
  BOTTOM w0.127: v2(61.84,116.34) 61.84,111.58 61.63,111.37 61.63,111.34 60.38,110.1 U18.13
CH_OUT_D: length 14.9
  POWER w0.127: J17.1 54.85,121.68 v2(54.85,118.25)
  BOTTOM w0.127: v2(54.85,118.25) 54.85,117.84 59.34,113.35 U18.18
CH_OUTPUT_1: length 80.8
  POWER w0.127: v2(126.93,115.4) v2(138.67,115.4)
  BOTTOM w0.127: v2(126.93,115.4) 126.93,114.77 120.25,108.09 73.27,108.09 70.14,111.22 70.14,112.33 68.47,114 U18.2 ; v2(138.67,115.4) J1.12
CH_OUTPUT_2: length 239.3
  BOTTOM w0.127: U18.9 64.87,109.45 62.86,111.45 62.86,118.49 61.2,120.16 41.97,120.16 37.7,115.89 37.7,29.35 47.9,19.16 120.05,19.16 120.08,19.19 125.97,19.19 138.79,6.37 141.93,6.37 142.07,6.51 J1.240
CH_OUTPUT_3: length 231.6
  POWER w0.127: v2(137.4,12.84) 143.75,12.84 145.02,14.11 v2(145.02,14.95)
  BOTTOM w0.127: v2(137.4,12.84) 133.77,12.84 126.4,20.22 119.65,20.22 119.62,20.19 49.41,20.19 38.73,30.86 38.73,115.47 42.15,118.89 59.93,118.89 61.2,117.62 61.2,114.82 60.38,114 U18.19 ; J1.230 v2(145.02,14.95)
CH_OUTPUT_4: length 252.8
  POWER w0.127: v2(143.75,24.55) 144.74,24.55 145.66,23.64 145.66,12.84 143.75,10.94 v2(137.4,10.94)
  BOTTOM w0.127: v2(137.4,10.94) 134.95,10.94 126.18,19.7 119.87,19.7 119.84,19.67 48.65,19.67 38.22,30.11 38.22,115.68 42.06,119.52 60.56,119.52 62.35,117.74 62.35,111.05 60.75,109.45 U18.12 ; v2(143.75,24.55) J1.218
CH_OUTPUT_5: length 109.3
  POWER w0.127: v2(66.91,104.28) v2(66.91,112.7)
  BOTTOM w0.127: J1.57 134.09,76.2 133.29,75.4 74.2,75.4 72,77.61 72,82.06 65.01,89.04 65.01,102.38 v2(66.91,104.28) ; v2(66.91,112.7) U18.4
CH_OUTPUT_6: length 108.4
  BOTTOM w0.127: J1.69 v2(145.02,117.8) 145.02,123.78 143.57,125.23 134.22,125.23 131.69,122.7 109.46,122.7 106.28,125.87 65.01,125.87 64.06,124.92 64.06,111.96 65.26,110.75 U18.7
CH_OUTPUT_7: length 91.2
  POWER w0.127: v2(134.22,109.8) v2(143.2,109.8) ; v2(61.84,106.82) 61.2,107.46 v2(61.2,112.7)
  BOTTOM w0.127: J1.79 v2(143.2,109.8) ; v2(61.84,106.82) 120.98,106.82 123.96,109.8 v2(134.22,109.8) ; v2(61.2,112.7) U18.17
CH_OUTPUT_8: length 96
  POWER w0.127: v2(58.02,105.55) 57.39,106.19 v2(57.39,109.36) ; v2(143.38,100.2) 140.21,100.2 v2(135.5,104.92)
  BOTTOM w0.127: v2(135.5,104.92) 58.66,104.92 v2(58.02,105.55) ; U18.14 58.78,110.75 v2(57.39,109.36) ; J1.91 v2(143.38,100.2)
CM: length 87
  POWER w0.127: v2(99.94,17.92) 103.75,21.73 v2(103.75,23)
  BOTTOM w0.127: v2(103.75,23) 103.75,35.07 106.28,37.61 118.98,37.61 129.15,47.77 137.22,47.77 138.03,46.95 J1.134 ; v2(99.94,17.92) 98.66,16.65 88.5,16.65 SW1.1
CM_EXT: length 7.5
  BOTTOM w0.127: J22.1 74.95,6.5 74.96,6.49 SW1.2
COND_EN_1: length 90.8
  TOP w0.127: U13.13 77.78,64.6 76.8,65.58 76.8,69.8 78.63,71.64 81.82,71.64 111.16,100.98 119.18,100.98 119.18,100.98 119.6,100.98 119.6,100.98 120.21,100.98 138.12,118.89 v2(138.67,118.89)
  BOTTOM w0.127: v2(138.67,118.89) 139.19,119.4 J1.7
COND_EN_1_SEL: length 91.1
  TOP w0.1: U13.11 78,63.3 74.6,59.9 49.92,59.9 47.19,62.63 47.19,74.96 48.59,76.37 48.59,89.8 42.27,96.12 26.65,96.12 24.25,98.52 U1.50
COND_EN_2: length 107.5
  TOP w0.127: U16.18 58.52,67.85 58.21,68.16 58.21,68.91 62.48,73.18 81.18,73.18 110.52,102.53 117.87,102.53 134.86,119.52 v2(134.86,121.43)
  BOTTOM w0.127: J1.4 135.24,121.8 v2(134.86,121.43)
COND_EN_2_SEL: length 84.8
  TOP w0.1: U16.20 59.9,69.78 60.75,70.62 63.1,70.62 64.38,69.36 64.38,64.91 60.56,61.1 50.42,61.1 48.38,63.13 48.38,74.32 49.8,75.73 49.8,90.3 42.77,97.32 27.15,97.32 25.75,98.72 U1.53
COND_EN_3: length 66.8
  TOP w0.127: U11.13 97.53,26.38 96.26,27.64 96.25,27.64 96.12,27.77 96.12,32.24 99.46,35.58 123.38,35.58 131.72,27.24 131.72,24.07 133.86,21.92 136.57,21.92 139.55,18.95 v2(143.75,18.95)
  BOTTOM w0.127: v2(143.75,18.95) J1.225
COND_EN_3_SEL: length 0.6
  TOP w0.127: U11.11 v2(98.42,24.45)
COND_EN_4: length 67.2
  TOP w0.127: U11.8 93.41,26.38 94.86,27.82 94.86,31.7 99.25,36.09 123.59,36.09 132.23,27.45 132.23,24.28 134.07,22.44 137.33,22.44 138.41,21.35 v2(143.75,21.35)
  BOTTOM w0.127: v2(143.75,21.35) J1.222
COND_EN_4_SEL: length 0.6
  TOP w0.127: U11.10 v2(92.52,24.45)
COND_EN_5: length 119.4
  TOP w0.127: v2(136.13,123.4) 129.94,123.4 80.75,74.21 61.7,74.21 56.76,69.26 56.76,65.55 55.81,64.6 U16.8
  POWER w0.127: v2(144.47,123.4) v2(136.13,123.4)
  BOTTOM w0.127: J1.62 v2(144.47,123.4)
COND_EN_5_SEL: length 60.7
  TOP w0.1: U16.10 53.12,63.3 52.49,62.67 50.51,62.67 49.19,63.99 49.19,73.83 49.98,74.63 49.98,74.65 50.64,75.3 50.64,90.58 43.1,98.12 27.48,98.12 26.75,98.85 U1.55
COND_EN_6: length 96.5
  TOP w0.127: v2(144.4,121) 137.62,121 118.63,102.01 110.73,102.01 81.39,72.67 77.76,72.67 75.17,70.08 75.17,68.38 74.64,67.85 U13.3
  BOTTOM w0.127: v2(144.4,121) J1.65
COND_EN_6_SEL: length 85.9
  TOP w0.1: U1.52 25.25,98.65 26.98,96.92 42.61,96.92 49.4,90.13 49.4,75.96 47.98,74.55 47.98,62.97 50.25,60.7 62.07,60.7 70.52,69.15 U13.1
COND_EN_7: length 120
  TOP w0.127: v2(143.75,105.8) 142.48,104.53 142.48,102.93 142.45,102.9 142.45,102.89 132.08,92.52 132.08,90.56 131.95,90.44 130.11,90.44 94.67,54.99 61.35,54.99 57.69,51.34 57.69,46.31 58.52,45.49 U15.13
  BOTTOM w0.127: v2(143.75,105.8) J1.84
COND_EN_7_SEL: length 62.1
  TOP w0.1: U15.11 59.9,43.56 59.02,42.69 50.41,42.69 43.98,49.11 43.98,76.28 45.33,77.62 45.33,86 43.2,88.12 U4.9
COND_EN_8: length 114.2
  TOP w0.127: U15.18 58.32,48.74 58.21,48.85 58.21,51.12 61.56,54.48 94.88,54.48 130.33,89.92 132.47,89.92 132.59,90.05 132.59,92.24 v2(143.75,103.4)
  BOTTOM w0.127: v2(143.75,103.4) J1.87
COND_EN_8_SEL: length 75.6
  TOP w0.1: U15.20 59.9,50.67 60.2,50.97 63.08,50.97 63.74,50.31 63.74,45.86 59.93,42.05 50.41,42.05 43.58,48.87 43.58,76.45 44.69,77.55 44.69,86.07 43.28,87.48 U4.8
COND_EN_D: length 64.9
  TOP w0.127: U21.18 97.53,48.74 96.76,49.51 96.76,50.24 132.33,85.81 v2(143.13,85.81)
  BOTTOM w0.127: v2(143.13,85.81) 142.95,85.81 142.94,85.8 J1.105
COND_EN_D_SEL: length 124.6
  TOP w0.1: U21.20 98.42,50.39 98.97,50.94 101.84,50.94 103.11,49.67 103.11,46.5 99.47,42.85 95.23,42.85 91.89,39.51 64.38,39.51 62.47,37.61 47.23,37.61 38.97,45.86 38.97,81.42 37.07,83.33 37.07,87.77 36.72,88.12 U4.16
EN_12_SEL: length 128.7
  TOP w0.1: U12.20 99.3,69.15 100.14,69.99 101.84,69.99 102.47,69.36 102.47,65.97 93.6,57.09 49.9,57.09 45.19,61.81 45.19,75.78 46.59,77.19 46.59,88.97 41.45,94.12 25.64,94.12 21.75,98.01 U1.45
EN_56_SEL: length 0.6
  TOP w0.127: U17.1 v2(54,31.55)
EN_78_SEL: length 119.6
  TOP w0.1: v1(102.47,85.23) 119.62,85.23 122.16,87.77 122.16,94.76 121.53,95.39 118.57,95.39 117.68,94.5 U19.20 ; v1(89.78,85.23) 87.87,87.14 85.33,87.14 84.69,87.77 55.48,87.77 34.53,108.73 27.55,108.73 27.25,108.43 U1.1
  POWER w0.1: v1(89.78,85.23) v1(102.47,85.23)
EN_D_SEL: length 103.9
  TOP w0.1: 35.52,89.43 37.32,89.43 38.11,88.64 38.11,83.56 40.25,81.42 40.25,45.86 47.23,38.88 62.47,38.88 64.38,40.78 87.87,40.78 91.28,44.19 U21.10
HP_BYPASS_EN_1: length 76.8
  TOP w0.127: U12.3 93.41,67.85 94.34,68.78 94.34,82.45 111.75,99.87 122.37,99.87 v2(136.85,114.35)
  BOTTOM w0.127: J1.10 138.06,117 136.85,115.8 v2(136.85,114.35)
HP_BYPASS_EN_1_SEL: length 109.6
  TOP w0.1: U12.1 92.52,69.5 92.03,69.99 87.87,69.99 76.98,59.1 49.59,59.1 46.39,62.3 46.39,75.29 47.8,76.7 47.8,89.47 41.94,95.32 26.32,95.32 23.25,98.39 U1.48
HP_BYPASS_EN_2: length 111.1
  TOP w0.127: v2(136.13,122.7) 129.96,122.7 80.96,73.7 62.27,73.7 57.69,69.12 57.69,65.42 58.52,64.6 U16.13
  BOTTOM w0.127: v2(136.13,122.7) 137.22,122.7 137.92,123.4 J1.2
HP_BYPASS_EN_2_SEL: length 68.2
  TOP w0.1: U1.54 26.25,98.79 27.32,97.72 42.94,97.72 50.24,90.42 50.24,75.54 48.78,74.09 48.78,63.3 50.35,61.74 57.39,61.74 58.95,63.3 U16.11
HP_BYPASS_EN_3: length 62.9
  TOP w0.127: U11.18 97.9,29.63 96.76,30.76 96.76,32.15 99.68,35.07 123.16,35.07 131.2,27.03 131.2,23.85 133.96,21.1 135.5,21.1 140.04,16.55 v2(143.75,16.55)
  BOTTOM w0.127: v2(143.75,16.55) J1.228
HP_BYPASS_EN_3_SEL: length 0.6
  TOP w0.127: U11.20 v2(98.42,31.55)
HP_BYPASS_EN_4: length 64.2
  TOP w0.127: v2(143.75,22.95) 134.28,22.95 132.74,24.49 132.74,27.67 123.8,36.61 98.95,36.61 94.22,31.88 94.22,30.39 93.46,29.63 U11.3
  BOTTOM w0.127: v2(143.75,22.95) J1.220
HP_BYPASS_EN_4_SEL: length 0.6
  TOP w0.127: U11.1 v2(92.52,31.55)
HP_BYPASS_EN_5: length 117.2
  TOP w0.127: v2(138.03,74.6) 135.66,74.6 123.43,62.37 123.43,45.68 117.44,39.69 97.67,39.69 93.28,35.31 76.87,35.31 74.96,33.4 71.79,33.4 60.36,33.4 59.44,33.4 57.39,31.35 57.39,27.45 58.46,26.38 U17.13
  BOTTOM w0.127: J1.59 v2(138.03,74.6)
HP_BYPASS_EN_5_SEL: length 0.6
  TOP w0.127: U17.11 v2(59.9,24.45)
